# Altium PCB PCB.PcbDoc (part 2 of 3) (continued)
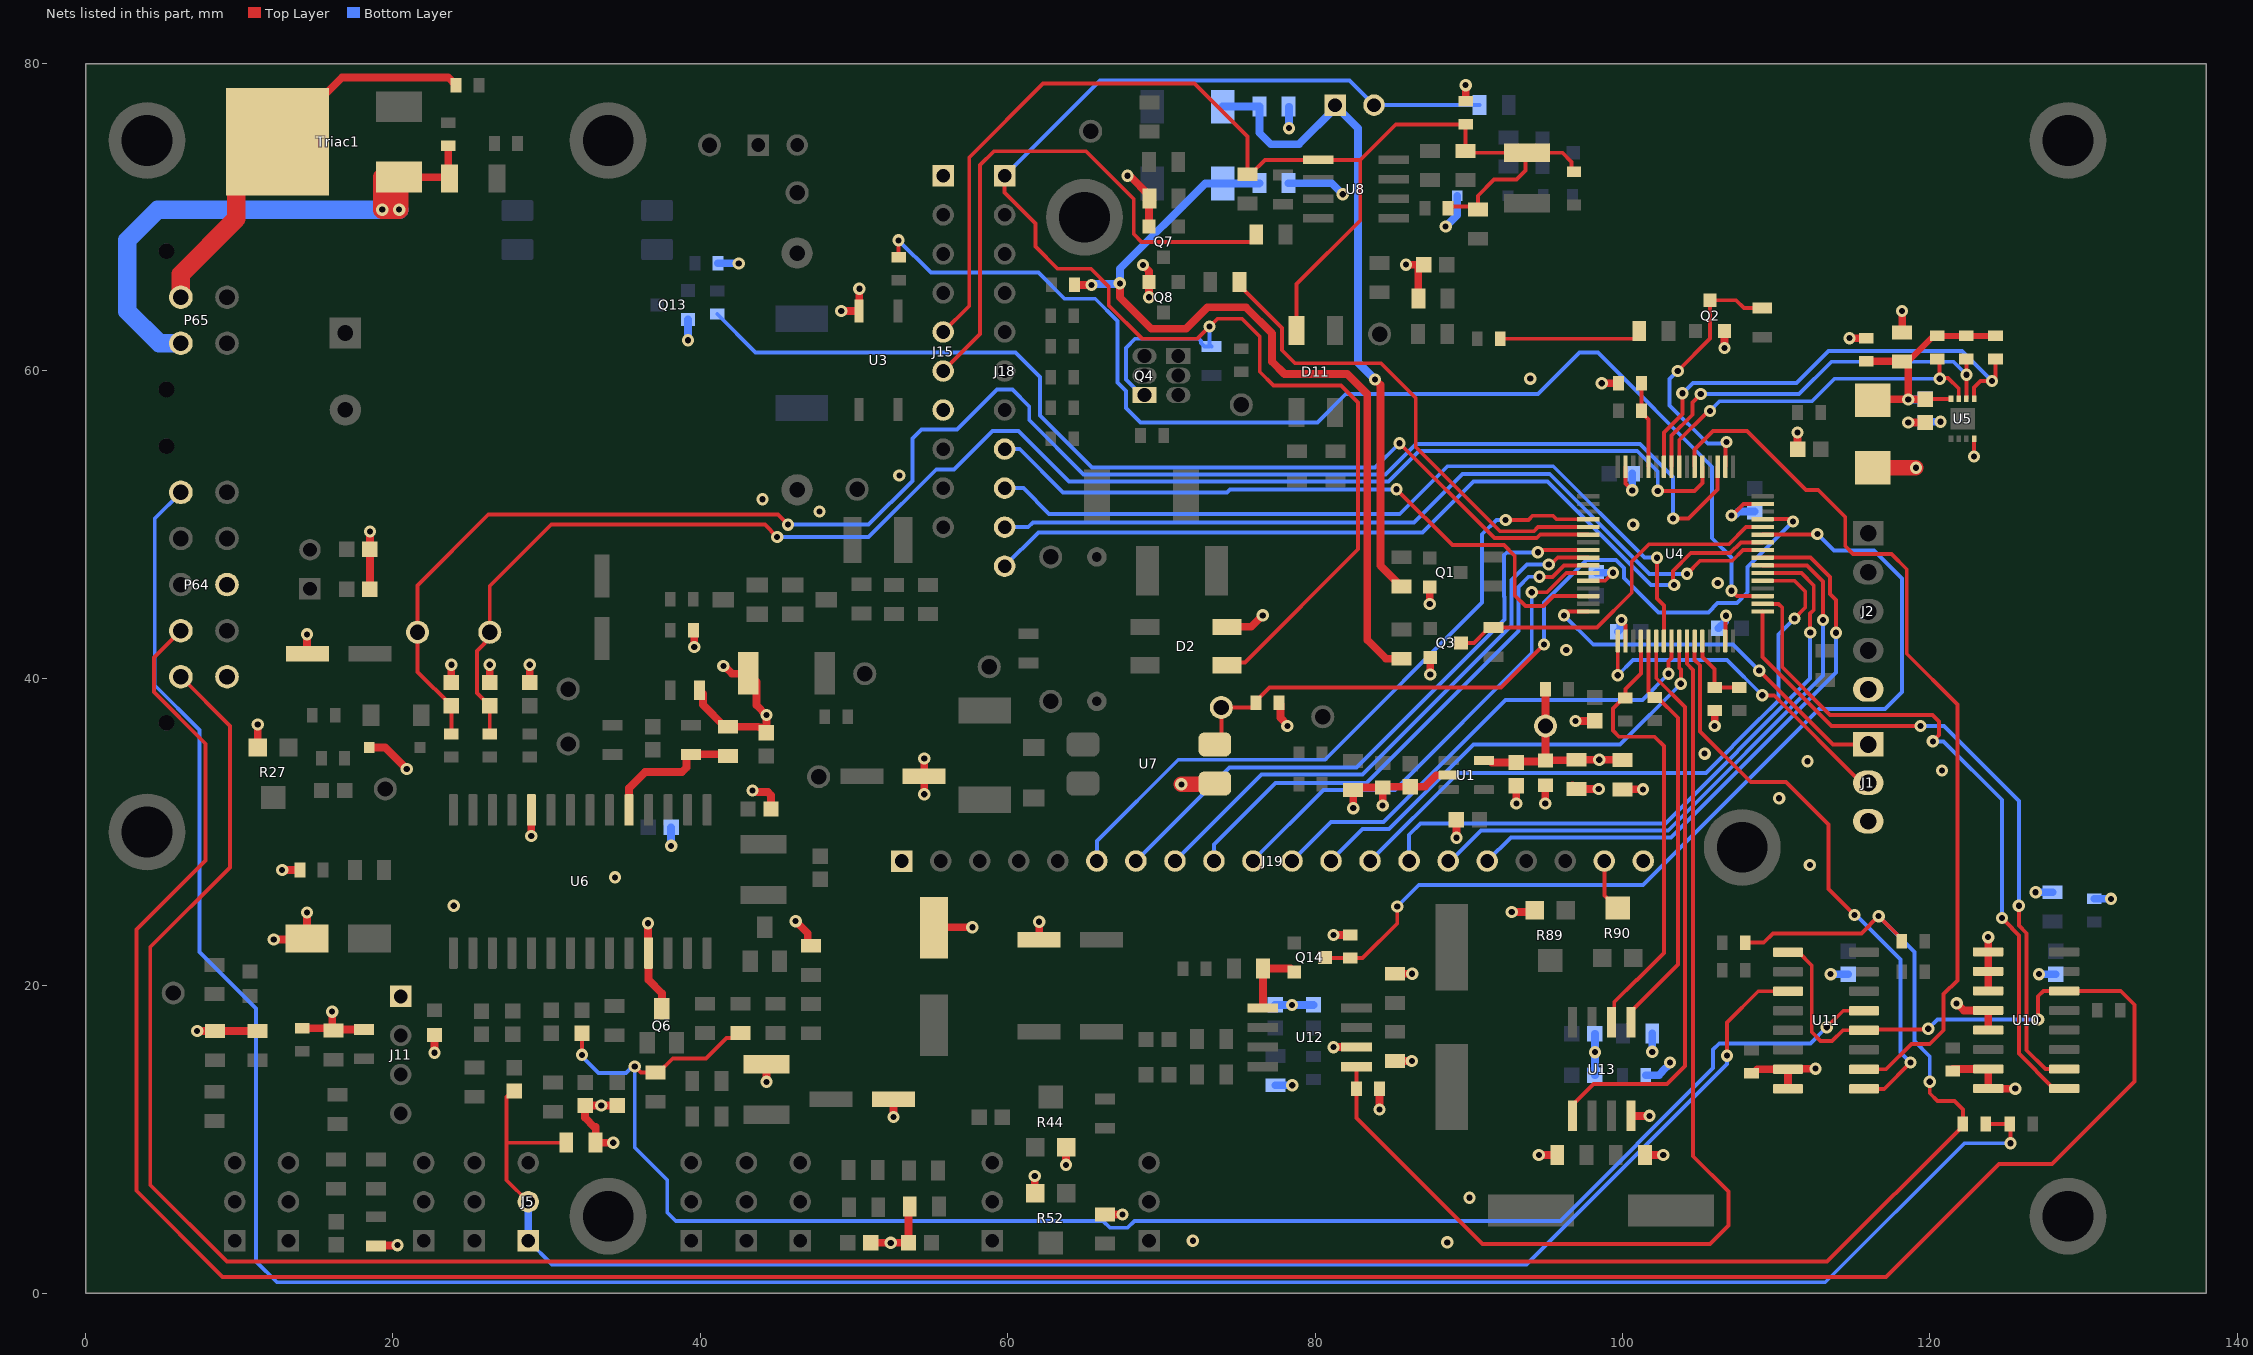
[diagram p4: the nets of this part, all layers, seen from the top]
## Part data (continued)
R36: "Res Thick Film 0805 300 Ohm 1% 1/8W ±100ppm/°C Molded SMD SMD Paper Tape on Plastic Reel", Case Code (Metric)=2012, Case/Package=0805, Manufacturer=Bourns, Manufacturer Part Number=CR0805-FX-3000ELF, Max Operating Temperature=155°C, Max Power Dissipation=125mW, Min Operating Temperature=-55°C, Package Quantity=1, Temperature Coefficient=100ppm/°C, Tolerance=1%, Voltage Rating=150V, Category="Chip SMD Resistors", Component Type=Standard, ComponentLink1Description=https://datasheet.ciiva.com/18608/chpreztr-18608507.pdf?src-supplier=Digi-Key, ComponentLink1URL=https://datasheet.ciiva.com/18608/chpreztr-18608507.pdf?src-supplier=Digi-Key, ComponentLink2Description=https://datasheet.ciiva.com/18608/chpreztr-18608508.pdf?src-supplier=Digi-Key, ComponentLink2URL=https://datasheet.ciiva.com/18608/chpreztr-18608508.pdf?src-supplier=Digi-Key, ComponentLink3Description=https://datasheet.ciiva.com/18608/chpreztr-18608509.pdf?src-supplier=Digi-Key, ComponentLink3URL=https://datasheet.ciiva.com/18608/chpreztr-18608509.pdf?src-supplier=Digi-Key, Contact Plating=Tin, Design Item ID=CR0805-FX-3000ELF, Features="Moisture Resistant", Height=0.024inch, Length=0.079inch, Mount="Surface Mount", Number of Terminations=2, Packaging="Tape and Reel", Pin Count=2, Power Rating=125mW, Pricing 1="1=0.1, 10=0.034, 50=0.034, 100=0.014, 1000=0.007, 10000=0.003 (USD)", Radiation Hardening=No, RoHS=Yes, RoHS Compliant=Yes, Series=CR0805, Source=V4-TEL.SCHLIB, Stock 1=32741, Termination=SMD/SMT, Thickness=508um, Width=1.25mm
R38: "Res Thick Film 0805 8.2K Ohm 5% 1/8W ±200ppm/°C Molded SMD SMD Paper T/R", Case Code (Metric)=2012, Case/Package=0805, Manufacturer="Vishay Dale", Manufacturer Part Number=CRCW08058K20JNEA, Max Operating Temperature=155°C, Max Power Dissipation=125mW, Min Operating Temperature=-55°C, Package Quantity=1, Resistance Tolerance=5%, Resistor Type="Thick Film", Temperature Coefficient=200ppm/°C, Voltage Rating=150V, Category="Chip SMD Resistors", Component Type=Standard, ComponentLink1Description=https://datasheet.ciiva.com/2464/dcrcwe3-2464855.pdf?src-supplier=Digi-Key, ComponentLink1URL=https://datasheet.ciiva.com/2464/dcrcwe3-2464855.pdf?src-supplier=Digi-Key, ComponentLink2Description=https://datasheet.ciiva.com/2464/dcrcwe3-2464856.pdf?src-supplier=Digi-Key, ComponentLink2URL=https://datasheet.ciiva.com/2464/dcrcwe3-2464856.pdf?src-supplier=Digi-Key, ComponentLink3Description=https://datasheet.ciiva.com/2464/dcrcwe3-2464857.pdf?src-supplier=Digi-Key, ComponentLink3URL=https://datasheet.ciiva.com/2464/dcrcwe3-2464857.pdf?src-supplier=Digi-Key, ComponentLink4Description=https://datasheet.ciiva.com/16397/dcrcwe3-16397273.pdf?src-supplier=Future+Electronics, ComponentLink4URL=https://datasheet.ciiva.com/16397/dcrcwe3-16397273.pdf?src-supplier=Future+Electronics, ComponentLink5Description=https://datasheet.ciiva.com/5550/dcrcwe3-109170-5550397.pdf?src-supplier=Mouser, ComponentLink5URL=https://datasheet.ciiva.com/5550/dcrcwe3-109170-5550397.pdf?src-supplier=Mouser, ComponentLink6Description=https://datasheet.ciiva.com/9056/dcrcwe3-9056269.pdf?src-supplier=Avnet, ComponentLink6URL=https://datasheet.ciiva.com/9056/dcrcwe3-9056269.pdf?src-supplier=Avnet, ComponentLink7Description=https://datasheet.ciiva.com/16773/70201119-16773566.pdf?src-supplier=Allied+Electronics, ComponentLink7URL=https://datasheet.ciiva.com/16773/70201119-16773566.pdf?src-supplier=Allied+Electronics, ComponentLink8Description=https://datasheet.ciiva.com/9056/dcrcwe3-9056271.pdf?src-supplier=Avnet, ComponentLink8URL=https://datasheet.ciiva.com/9056/dcrcwe3-9056271.pdf?src-supplier=Avnet, Contact Plating=Tin, Depth=1.25mm, Design Item ID=CRCW08058K20JNEA, Features="Automotive AEC-Q200", Height=0.45mm, Lead Free="Lead Free", Length=2mm, Number of Terminations=2, Packaging="Tape and Reel", Pin Count=2, Power Rating=125mW, Pricing 1="1=0.1, 10=0.05, 50=0.05, 100=0.021, 1000=0.01, 10000=0.006 (USD)", Radiation Hardening=No, Reach SVHC Compliant=Unknown, RoHS=Yes, RoHS Compliant=Yes, Series=CRCW, Size Code=0805, Source=V4-TEL.SCHLIB, Stock 1=5125, Technology="THICK FILM", Termination=SMD/SMT, Tolerance=5%, Voltage Rating (DC)=150V, Weight=0.000194oz, Width=0.049inch
R40: "Res Thick Film 0805 2.7K Ohm 1% 1/8W ±100ppm/°C Molded SMD SMD Paper Tape on Plastic Reel", Case Code (Metric)=2012, Case/Package=0805, Manufacturer=Bourns, Manufacturer Part Number=CR0805-FX-2701ELF, Max Operating Temperature=155°C, Max Power Dissipation=125mW, Min Operating Temperature=-55°C, Package Quantity=5000, Temperature Coefficient=100ppm/°C, Tolerance=1%, Voltage Rating=150V, Category="Chip SMD Resistors", Component Type=Standard, ComponentLink1Description=https://datasheet.ciiva.com/9123/chpreztr-9123127.pdf?src-supplier=Avnet, ComponentLink1URL=https://datasheet.ciiva.com/9123/chpreztr-9123127.pdf?src-supplier=Avnet, ComponentLink2Description=https://datasheet.ciiva.com/18608/chpreztr-18608504.pdf?src-supplier=Digi-Key, ComponentLink2URL=https://datasheet.ciiva.com/18608/chpreztr-18608504.pdf?src-supplier=Digi-Key, ComponentLink3Description=https://datasheet.ciiva.com/18608/chpreztr-18608505.pdf?src-supplier=Digi-Key, ComponentLink3URL=https://datasheet.ciiva.com/18608/chpreztr-18608505.pdf?src-supplier=Digi-Key, ComponentLink4Description=https://datasheet.ciiva.com/18608/chpreztr-18608506.pdf?src-supplier=Digi-Key, ComponentLink4URL=https://datasheet.ciiva.com/18608/chpreztr-18608506.pdf?src-supplier=Digi-Key, Contact Plating=Tin, Design Item ID=CR0805-FX-2701ELF, Features="Moisture Resistant", Height=0.024inch, Length=0.079inch, Mount="Surface Mount", Number of Terminations=2, Packaging="Tape and Reel", Pin Count=2, Power Rating=125mW, Pricing 1="1=0.1, 10=0.029, 50=0.029, 100=0.012, 1000=0.006, 10000=0.003 (USD)", Radiation Hardening=No, RoHS=Yes, RoHS Compliant=Yes, Series=CR0805, Source=V4-TEL.SCHLIB, Stock 1=44241, Termination=SMD/SMT, Thickness=508um, Width=1.25mm
R41: "Surface Mount Chip Resistor, Thick Film, Aec-Q200 Wcr Series, 470 Kohm, 125 Mw, 1%, 150 V Rohs Compliant: Yes", Case Code (Metric)=2012, Case/Package=0805, Insulation Resistance=1GR, Manufacturer="TT Welwyn", Manufacturer Part Number=WCR0805-470KFI, Max Operating Temperature=155°C, Min Operating Temperature=-55°C, Power Rating=125mW, Resistance Tolerance=1%, Resistor Type="Thick Film", Temperature Coefficient=100ppm/°C, Voltage Rating=150V, Category="Chip SMD Resistors", Component Type=Standard, ComponentLink1Description=https://datasheet.ciiva.com/7867/1851687-7867286.pdf?src-supplier=Element14, ComponentLink1URL=https://datasheet.ciiva.com/7867/1851687-7867286.pdf?src-supplier=Element14, ComponentLink2Description=https://datasheet.ciiva.com/7867/1851687-7867287.pdf?src-supplier=Element14, ComponentLink2URL=https://datasheet.ciiva.com/7867/1851687-7867287.pdf?src-supplier=Element14, Design Item ID=WCR0805-470KFI, Packaging="Cut Tape", Pin Count=2, Pins=2, Pricing 1="1=0.1, 10=0.084, 50=0.084, 100=0.033, 1000=0.015, 10000=0.01 (USD)", Reach SVHC Compliant=No, RoHS=Yes, RoHS Compliant=Yes, Series=WCR, Source=V4-TEL.SCHLIB, Stock 1=11638, Voltage Rating (DC)=150V, Width=1.25mm
R42 R46: "Res Thick Film 0805 82K Ohm 1% 1/8W ±100ppm/°C Molded SMD Paper T/R", Case Code (Metric)=2012, Case/Package=0805, Manufacturer=Yageo, Manufacturer Part Number=RC0805FR-0782KL, Max Operating Temperature=155°C, Max Power Dissipation=125mW, Min Operating Temperature=-55°C, Package Quantity=1, Resistance Tolerance=1%, Resistor Type="Thick Film", Temperature Coefficient=100ppm/°C, Voltage Rating=150V, Category="Chip SMD Resistors", Component Type=Standard, ComponentLink1Description=https://datasheet.ciiva.com/2457/pyu-r-int-thick-7-2457144.pdf?src-supplier=Digi-Key, ComponentLink1URL=https://datasheet.ciiva.com/2457/pyu-r-int-thick-7-2457144.pdf?src-supplier=Digi-Key, ComponentLink2Description=https://datasheet.ciiva.com/2457/pyu-r-int-thick-7-2457145.pdf?src-supplier=Digi-Key, ComponentLink2URL=https://datasheet.ciiva.com/2457/pyu-r-int-thick-7-2457145.pdf?src-supplier=Digi-Key, ComponentLink3Description=https://datasheet.ciiva.com/2457/pyu-r-int-thick-7-2457143.pdf?src-supplier=Digi-Key, ComponentLink3URL=https://datasheet.ciiva.com/2457/pyu-r-int-thick-7-2457143.pdf?src-supplier=Digi-Key, ComponentLink4Description=https://datasheet.ciiva.com/12577/rc0805-12577609.pdf?src-supplier=Mouser, ComponentLink4URL=https://datasheet.ciiva.com/12577/rc0805-12577609.pdf?src-supplier=Mouser, ComponentLink5Description=https://datasheet.ciiva.com/16747/rc0805-16747260.pdf?src-supplier=Future+Electronics, ComponentLink5URL=https://datasheet.ciiva.com/16747/rc0805-16747260.pdf?src-supplier=Future+Electronics, Construction=Rectangular, Contact Plating=Tin,Matte, Depth=1.25mm, Design Item ID=RC0805FR-0782KL, Features="Moisture Resistant", Height=0.5mm, Lead Free="Lead Free", Length=2mm, Military Standard=Not, Number of Terminations=2, Packaging="Tape and Reel", Pin Count=2, Power Rating=125mW, Pricing 1="1=0.1, 10=0.029, 50=0.029, 100=0.012, 1000=0.006, 10000=0.003 (USD)", Reach SVHC Compliant=Unknown, RoHS=Yes, RoHS Compliant=Yes, Series=RC, Size Code=0805, Source=V4-TEL.SCHLIB, Stock 1=15360, Technology="THICK FILM", Termination=SMD/SMT, Tolerance=1%, Weight=0.000194oz, Width=0.049inch
R48 R81 R84: "Res Thick Film 0805 12K Ohm 1% 0.125W(1/8W) ±100ppm/C Pad SMD T/R", Case Code (Metric)=2012, Case/Package=0805, Manufacturer=Yageo, Manufacturer Part Number=RC0805FR-0712KL, Max Operating Temperature=155°C, Max Power Dissipation=125mW, Min Operating Temperature=-55°C, Package Quantity=1, Resistance Tolerance=1%, Resistor Type="Thick Film", Temperature Coefficient=100ppm/°C, Voltage Rating=150V, Category="Chip SMD Resistors", Component Type=Standard, ComponentLink1Description=https://datasheet.ciiva.com/2519/pyu-r-int-thick-7-2519832.pdf?src-supplier=Digi-Key, ComponentLink1URL=https://datasheet.ciiva.com/2519/pyu-r-int-thick-7-2519832.pdf?src-supplier=Digi-Key, ComponentLink2Description=https://datasheet.ciiva.com/2519/pyu-r-int-thick-7-2519833.pdf?src-supplier=Digi-Key, ComponentLink2URL=https://datasheet.ciiva.com/2519/pyu-r-int-thick-7-2519833.pdf?src-supplier=Digi-Key, ComponentLink3Description=https://datasheet.ciiva.com/2519/pyu-r-int-thick-7-2519831.pdf?src-supplier=Digi-Key, ComponentLink3URL=https://datasheet.ciiva.com/2519/pyu-r-int-thick-7-2519831.pdf?src-supplier=Digi-Key, ComponentLink4Description=https://datasheet.ciiva.com/12577/rc0805-12577253.pdf?src-supplier=Mouser, ComponentLink4URL=https://datasheet.ciiva.com/12577/rc0805-12577253.pdf?src-supplier=Mouser, ComponentLink5Description=https://datasheet.ciiva.com/7941/444164-7941693.pdf?src-supplier=Element14, ComponentLink5URL=https://datasheet.ciiva.com/7941/444164-7941693.pdf?src-supplier=Element14, ComponentLink6Description=https://datasheet.ciiva.com/7941/444164-7941694.pdf?src-supplier=Element14, ComponentLink6URL=https://datasheet.ciiva.com/7941/444164-7941694.pdf?src-supplier=Element14, ComponentLink7Description=https://datasheet.ciiva.com/17018/rc0805-17018634.pdf?src-supplier=Future+Electronics, ComponentLink7URL=https://datasheet.ciiva.com/17018/rc0805-17018634.pdf?src-supplier=Future+Electronics, Design Item ID=RC0805FR-0712KL, Features="Moisture Resistant", Height=0.024inch, Lead Free="Lead Free", Length=0.079inch, Number of Terminations=2, Packaging="Cut Tape", Pin Count=2, Power Rating=125mW, Pricing 1="1=0.1, 10=0.024, 50=0.024, 100=0.012, 1000=0.007, 10000=0.004 (USD)", Reach SVHC Compliant=Unknown, RoHS=Yes, RoHS Compliant=Yes, Series=RC, Size Code=0805, Source=V4-TEL.SCHLIB, Stock 1=240573, Termination=SMD/SMT, Tolerance=1%, Weight=0.000194oz, Width=0.049inch
R50 R51 R63: "Res Thick Film 0805 18K Ohm 1% 1/8W ±100ppm/°C Molded SMD SMD Paper T/R", Case/Package=0805, Manufacturer=Yageo, Manufacturer Part Number=RC0805FR-1018KL, Max Operating Temperature=155°C, Min Operating Temperature=-55°C, Power=125mW, Tolerance=1%, Contact Plating=Tin,Matte, Mounting Technology=SMT, Pins=2, RoHS Compliant=Yes
R55: library part CMP-009-00301-2, "CRCW Thick Film Commodity Chip Resistor 0805 Size 680 Ohm 5% 0.125 W 200 ppm/K 2-Pin SMD Paper T/R", Manufacturer=Vishay, Power=125mW, Tolerance=5%, Category="Chip SMD Resistors", Manufacturer Part Number=CRCW0805680RJNEBC, Mounting Technology=SMT, Pins=2, RoHS Compliant=No
R59 R60 R61: library part CMP-009-00237-1, "Res Thick Film 0603 10K Ohm 5% 1/10W 200ppm/C Molded SMD SMD Paper T/R", Case/Package=0603, Manufacturer="Vishay Dale", Manufacturer Part Number=CRCW060310K0JNEA, Max Operating Temperature=155°C, Max Power Dissipation=333mW, Min Operating Temperature=-55°C, Package Quantity=1, Power Rating=250mW, Resistance Tolerance=5%, Resistor Type="Thick Film", Temperature Coefficient=200ppm/°C, Tolerance=1%, Voltage Rating=75V, Category="Chip SMD Resistors", ComponentLink1Description=https://datasheet.ciiva.com/3256/dcrcwe3-3256943.pdf?src-supplier=Avnet, ComponentLink1URL=https://datasheet.ciiva.com/3256/dcrcwe3-3256943.pdf?src-supplier=Avnet, ComponentLink2Description=https://datasheet.ciiva.com/2461/dcrcwe3-2461971.pdf?src-supplier=Digi-Key, ComponentLink2URL=https://datasheet.ciiva.com/2461/dcrcwe3-2461971.pdf?src-supplier=Digi-Key, ComponentLink3Description=https://datasheet.ciiva.com/2461/dcrcwe3-2461972.pdf?src-supplier=Digi-Key, ComponentLink3URL=https://datasheet.ciiva.com/2461/dcrcwe3-2461972.pdf?src-supplier=Digi-Key, ComponentLink4Description=https://datasheet.ciiva.com/2461/dcrcwe3-2461973.pdf?src-supplier=Digi-Key, ComponentLink4URL=https://datasheet.ciiva.com/2461/dcrcwe3-2461973.pdf?src-supplier=Digi-Key, ComponentLink5Description=https://datasheet.ciiva.com/3256/dcrcwe3-3256942.pdf?src-supplier=Avnet, ComponentLink5URL=https://datasheet.ciiva.com/3256/dcrcwe3-3256942.pdf?src-supplier=Avnet, ComponentLink6Description=https://datasheet.ciiva.com/16343/dcrcwe3-16343525.pdf?src-supplier=Future+Electronics, ComponentLink6URL=https://datasheet.ciiva.com/16343/dcrcwe3-16343525.pdf?src-supplier=Future+Electronics, ComponentLink7Description=https://datasheet.ciiva.com/16755/70201119-16755717.pdf?src-supplier=Allied+Electronics, ComponentLink7URL=https://datasheet.ciiva.com/16755/70201119-16755717.pdf?src-supplier=Allied+Electronics, ComponentLink8Description=https://datasheet.ciiva.com/16515/dcrcwe3-16515020.pdf?src-supplier=Avnet+Asia, ComponentLink8URL=https://datasheet.ciiva.com/16515/dcrcwe3-16515020.pdf?src-supplier=Avnet+Asia, ComponentLink9Description=https://datasheet.ciiva.com/16771/70201119-16771051.pdf?src-supplier=Allied+Electronics, ComponentLink9URL=https://datasheet.ciiva.com/16771/70201119-16771051.pdf?src-supplier=Allied+Electronics, Construction=Rectangular, Contact Plating=Tin, Depth=0.85mm, Design Item ID=CRCW060310K0JNEA, Features="Automotive AEC-Q200", Height=0.02inch, Lead Free="Lead Free", Length=1.55mm, Military Standard=Not, Mount="Surface Mount", Number of Terminations=2, Packaging="Tape and Reel", Pins=2, Radiation Hardening=No, RoHS=Yes, RoHS Compliant=Yes, Series=CRCW, Size Code=0603, Stock 1=41, Termination=SMD/SMT, Voltage Rating (DC)=75V, Weight=7.1E-05oz, Width=0.033inch
R62: "Thick Film Resistors 1.5M 5%", Case Code (Metric)=2012, Case/Package=0805, Manufacturer=Bourns, Manufacturer Part Number=CR0805-JW-155ELF, Max Operating Temperature=155°C, Max Power Dissipation=125mW, Min Operating Temperature=-55°C, Package Quantity=5000, Temperature Coefficient=200ppm/°C, Tolerance=5%, Voltage Rating=150V, Category="Chip SMD Resistors", Component Type=Standard, ComponentLink1Description=https://datasheet.ciiva.com/5545/chpreztr-5545126.pdf?src-supplier=Mouser, ComponentLink1URL=https://datasheet.ciiva.com/5545/chpreztr-5545126.pdf?src-supplier=Mouser, ComponentLink2Description=https://datasheet.ciiva.com/18608/chpreztr-18608456.pdf?src-supplier=Digi-Key, ComponentLink2URL=https://datasheet.ciiva.com/18608/chpreztr-18608456.pdf?src-supplier=Digi-Key, ComponentLink3Description=https://datasheet.ciiva.com/18608/chpreztr-18608457.pdf?src-supplier=Digi-Key, ComponentLink3URL=https://datasheet.ciiva.com/18608/chpreztr-18608457.pdf?src-supplier=Digi-Key, ComponentLink4Description=https://datasheet.ciiva.com/18608/chpreztr-18608458.pdf?src-supplier=Digi-Key, ComponentLink4URL=https://datasheet.ciiva.com/18608/chpreztr-18608458.pdf?src-supplier=Digi-Key, ComponentLink5Description=https://datasheet.ciiva.com/9123/chpreztr-9123419.pdf?src-supplier=Avnet, ComponentLink5URL=https://datasheet.ciiva.com/9123/chpreztr-9123419.pdf?src-supplier=Avnet, Contact Plating=Tin, Design Item ID=CR0805-JW-155ELF, Features="Moisture Resistant", Height=0.024inch, Length=0.079inch, Mount="Surface Mount", Number of Terminations=2, Packaging="Tape and Reel", Pin Count=2, Power Rating=125mW, Pricing 1="1=0.1, 10=0.024, 50=0.024, 100=0.01, 1000=0.005, 10000=0.004 (USD)", Radiation Hardening=No, RoHS=Yes, RoHS Compliant=Yes, Series=CR0805, Source=V4-TEL.SCHLIB, Stock 1=77505, Termination=SMD/SMT, Thickness=508um, Width=1.25mm
R64 R109: "High Precision-High Stability Chip Resistor Thin Film 0805 47kOhm 1% Paper T/R", Case Code (Metric)=2012, Case/Package=0805, Manufacturer=Yageo, Manufacturer Part Number=RT0805FRE0747KL, Max Operating Temperature=125°C, Max Power Dissipation=125mW, Min Operating Temperature=-55°C, Resistance Tolerance=1%, Resistor Type="Thin Film", Temperature Coefficient=50ppm/°C, Voltage Rating=150V, Category="Chip SMD Resistors", Component Type=Standard, ComponentLink1Description=https://datasheet.ciiva.com/7942/1392914-7942152.pdf?src-supplier=Element14, ComponentLink1URL=https://datasheet.ciiva.com/7942/1392914-7942152.pdf?src-supplier=Element14, ComponentLink2Description=https://datasheet.ciiva.com/7942/1392914-7942153.pdf?src-supplier=Element14, ComponentLink2URL=https://datasheet.ciiva.com/7942/1392914-7942153.pdf?src-supplier=Element14, ComponentLink3Description=https://datasheet.ciiva.com/5990/1392914-5990606.pdf?src-supplier=Farnell, ComponentLink3URL=https://datasheet.ciiva.com/5990/1392914-5990606.pdf?src-supplier=Farnell, Design Item ID=RT0805FRE0747KL, Features="Moisture Resistant", Height=0.024inch, Lead Free="Lead Free", Length=0.079inch, Number of Terminations=2, Packaging="Tape and Reel", Pin Count=2, Pins=2, Power Rating=125mW, Pricing 1="1=0.1, 10=0.081, 50=0.081, 100=0.031, 1000=0.014, 10000=0.009 (USD)", Reach SVHC Compliant=No, RoHS=Yes, RoHS Compliant=Yes, Series=RT, Source=V4-TEL.SCHLIB, Stock 1=83330, Termination=SMD/SMT, Tolerance=1%, Voltage Rating (DC)=150V, Width=0.049inch
R69: "anti-surge endured pulse power thick film chip resistor, 0805, RoHS", Case Code (Metric)=2012, Case/Package=0805, Manufacturer="KOA Speer", Manufacturer Part Number=SG73P2ATTD222J, Max Operating Temperature=155°C, Max Power Dissipation=250mW, Min Operating Temperature=-55°C, Ratings=AEC-Q200, Temperature Coefficient=100ppm/°C, Tolerance=5%, Voltage Rating=150V, Category="Chip SMD Resistors", Component Type=Standard, ComponentLink1Description=https://datasheet.ciiva.com/5568/sg73-5568998.pdf?src-supplier=Mouser, ComponentLink1URL=https://datasheet.ciiva.com/5568/sg73-5568998.pdf?src-supplier=Mouser, Design Item ID=SG73P2ATTD222J, Features="Moisture Resistant,Automotive AEC-Q200", Height=0.5mm, Length=2mm, Number of Terminations=2, Packaging="Tape and Reel", Pin Count=2, Power Rating=250mW, Pricing 1="1=0.13, 10=0.113, 50=0.113, 100=0.043, 1000=0.018, 10000=0.013 (USD)", RoHS=Yes, RoHS Compliant=Yes, Series=SG73P, Source=V4-TEL.SCHLIB, Stock 1=15000, Termination=SMD/SMT, Voltage Rating (DC)=150V, Weight=0.000194oz, Width=1.25mm
R71 R82 R83 R85 R87: "Chip Resistor Precision Grade Thick Film 0805 390kOhm 1% Paper T/R", Case/Package=0805, Max Operating Temperature=155°C, Max Power Dissipation=125mW, Min Operating Temperature=-55°C, Temperature Coefficient=50ppm/°C, Tolerance=1%, Features="Moisture Resistant", Height=0.024inch, Lead Free="Lead Free", Length=0.079inch, Number of Terminations=2, Packaging="Tape and Reel", RoHS Compliant=Yes, Series=RE, Width=0.049inch
R74: "Res Thick Film 0805 510K Ohm 1% 1/8W +/-100ppm/ßC Molded SMD Paper T/R", Case Code (Metric)=2012, Case/Package=0805, Manufacturer=Yageo, Manufacturer Part Number=RC0805FR-07510KL, Max Operating Temperature=155°C, Max Power Dissipation=125mW, Min Operating Temperature=-55°C, Temperature Coefficient=100ppm/°C, Tolerance=1%, Voltage Rating=150V, Category="Chip SMD Resistors", Component Type=Standard, ComponentLink1Description=https://datasheet.ciiva.com/11808/0900766b8106beab-11808278.pdf?src-supplier=Rs, ComponentLink1URL=https://datasheet.ciiva.com/11808/0900766b8106beab-11808278.pdf?src-supplier=Rs, ComponentLink2Description=https://datasheet.ciiva.com/12667/rc0805-12667085.pdf?src-supplier=Mouser, ComponentLink2URL=https://datasheet.ciiva.com/12667/rc0805-12667085.pdf?src-supplier=Mouser, Construction=Rectangular, Depth=1.25mm, Design Item ID=RC0805FR-07510KL, Features="Moisture Resistant", Height=0.5mm, Lead Free="Lead Free", Length=2mm, Military Standard=Not, Mount="Surface Mount", Number of Terminations=2, Packaging="Tape and Reel", Pin Count=2, Power Rating=125mW, Pricing 1="1=0.1, 10=0.042, 50=0.042, 100=0.017, 1000=0.007, 10000=0.005 (USD)", RoHS=Yes, RoHS Compliant=Yes, Series=RC, Size Code=0805, Source=V4-TEL.SCHLIB, Stock 1=104255, Technology="THICK FILM", Termination=SMD/SMT, Voltage Rating (DC)=150V
R78: "Res Thick Film 0805 200 Ohm 1% 1/8W ±100ppm/°C Molded SMD SMD Paper Tape on Plastic Reel", Case Code (Metric)=2012, Case/Package=0805, Manufacturer=Bourns, Manufacturer Part Number=CR0805-FX-2000ELF, Max Operating Temperature=155°C, Max Power Dissipation=125mW, Min Operating Temperature=-55°C, Package Quantity=5000, Temperature Coefficient=100ppm/°C, Tolerance=1%, Voltage Rating=150V, Category="Chip SMD Resistors", Component Type=Standard, ComponentLink1Description=http://components.arrow.com/part/dataview/40998293S2126022N1506?src-supplier=Arrow+Electronics, ComponentLink1URL=http://components.arrow.com/part/dataview/40998293S2126022N1506?src-supplier=Arrow+Electronics, ComponentLink2Description=http://www.farnell.com/datasheets/2178762.pdf?src-supplier=Farnell, ComponentLink2URL=http://www.farnell.com/datasheets/2178762.pdf?src-supplier=Farnell, ComponentLink3Description=http://www.mouser.com/ds/2/54/chpreztr-977002.pdf?src-supplier=Mouser, ComponentLink3URL=http://www.mouser.com/ds/2/54/chpreztr-977002.pdf?src-supplier=Mouser, ComponentLink4Description=http://www.farnell.com/datasheets/2178762.pdf?src-supplier=Newark, ComponentLink4URL=http://www.farnell.com/datasheets/2178762.pdf?src-supplier=Newark, ComponentLink5Description=http://www.bourns.com/pdfs/chpreztr.pdf?src-supplier=Avnet, ComponentLink5URL=http://www.bourns.com/pdfs/chpreztr.pdf?src-supplier=Avnet, ComponentLink6Description=https://www.bourns.com/docs/Product-Datasheets/CHPREZTR.pdf?src-supplier=Digi-Key, ComponentLink6URL=https://www.bourns.com/docs/Product-Datasheets/CHPREZTR.pdf?src-supplier=Digi-Key, ComponentLink7Description=http://www.onlinecomponents.com/datasheet/cr0805-fx-2000elf.aspx?p=10745564&src-supplier=Onlinecomponents.com, ComponentLink7URL=http://www.onlinecomponents.com/datasheet/cr0805-fx-2000elf.aspx?p=10745564&src-supplier=Onlinecomponents.com, Contact Plating=Tin, Design Item ID=CR0805-FX-2000ELF, Features="Moisture Resistant", Height=0.5mm, Length=2mm, Mount="Surface Mount", Number of Terminations=2, Packaging="Tape and Reel", Pin Count=2, Power Rating=125mW, Pricing 1="1=0.1, 10=0.029, 50=0.029, 100=0.012, 1000=0.006, 10000=0.003 (USD)", Radiation Hardening=No, RoHS=Yes, RoHS Compliant=Yes, Series=CR0805, Source=V4-TEL.SCHLIB, Stock 1=115698, Termination=SMD/SMT, Thickness=508um, Width=1.25mm
R80: "Res Thick Film 0805 13 Ohm 1% 1/8W ±100ppm/°C Molded SMD SMD Paper Tape on Plastic Reel", Case Code (Metric)=2012, Case/Package=0805, Manufacturer=Bourns, Manufacturer Part Number=CR0805-FX-13R0ELF, Max Operating Temperature=155°C, Max Power Dissipation=125mW, Min Operating Temperature=-55°C, Package Quantity=5000, Temperature Coefficient=100ppm/°C, Tolerance=1%, Voltage Rating=150V, Category="Chip SMD Resistors", Component Type=Standard, ComponentLink1Description=https://datasheet.ciiva.com/5577/chpreztr-5577813.pdf?src-supplier=Mouser, ComponentLink1URL=https://datasheet.ciiva.com/5577/chpreztr-5577813.pdf?src-supplier=Mouser, ComponentLink2Description=https://datasheet.ciiva.com/9122/chpreztr-9122173.pdf?src-supplier=Avnet, ComponentLink2URL=https://datasheet.ciiva.com/9122/chpreztr-9122173.pdf?src-supplier=Avnet, Contact Plating=Tin, Design Item ID=CR0805-FX-13R0ELF, Features="Moisture Resistant", Height=0.024inch, Length=0.079inch, Mount="Surface Mount", Number of Terminations=2, Packaging="Tape and Reel", Pin Count=2, Power Rating=125mW, Pricing 1="1=0.1, 10=0.029, 50=0.029, 100=0.012, 1000=0.006, 10000=0.003 (USD)", Radiation Hardening=No, RoHS=Yes, RoHS Compliant=Yes, Series=CR0805, Source=V4-TEL.SCHLIB, Stock 1=53715, Termination=SMD/SMT, Thickness=508um, Width=1.25mm
R89: library part CMP-009-00317-1, "Res Trimmer 10K Ohm 25% 1/10W 1(Elec)/1(Mech)Turn (3 X 3.8mm) Foot Print SMD Embossed T/R", Max Operating Temperature=100°C, Max Power Dissipation=100mW, Min Operating Temperature=-40°C, Package Quantity=9000, Resistor Type=Cermet, Temperature Coefficient=250ppm/°C, Tolerance=25%, Depth=3.8mm, Height=0.047inch, Length=0.15inch, Military Standard=Not, Mounting Technology="Surface Mount", Packaging="Tape and Reel", Power Rating=100mW, Radiation Hardening=No, RoHS Compliant=Yes, Series="Trimpot® TC33 - Open Frame", Termination=SMD/SMT, Width=0.118inch
R90: library part CMP-009-00318-1, "Res Trimmer 500 Ohm 25% 1/10W 1(Elec)/1(Mech)Turn (3 X 3.8mm) Foot Print SMD Embossed T/R", Case/Package=TC33X-2, Max Operating Temperature=100°C, Max Power Dissipation=100mW, Min Operating Temperature=-40°C, Package Quantity=1, Resistance Tolerance=25%, Resistor Type=Cermet, Temperature Coefficient=250ppm/°C, Height=0.047inch, Length=0.15inch, Mounting Technology="Surface Mount", Number of Turns=1, Packaging="Tape and Reel", Power=100mW, Power Rating=100mW, Radiation Hardening=No, Reach SVHC Compliant=No, RoHS Compliant=Yes, Series="Trimpot® TC33 - Open Frame", Termination=SMD/SMT, Tolerance=25%, Width=0.118inch
R91: "Thick Film Resistors - SMD 0.2W 51ohm 1% 100ppm", Case Code (Metric)=1608, Case/Package=0603, Manufacturer 1="KOA Speer", Manufacturer Part Number 1=SG73S1JTTD51R0F, Max Operating Temperature=155°C, Min Operating Temperature=-55°C, Package Quantity=5000, Power Rating=200mW, Resistor Type="Thick Film", Temperature Coefficient=100ppm/°C, Tolerance=1%, Voltage Rating=50V, Category="Chip SMD Resistors", ComponentLink1Description=http://www.koaspeer.com/catimages/Products/SG73/SG73.pdf?src-supplier=Mouser, ComponentLink1URL=http://www.koaspeer.com/catimages/Products/SG73/SG73.pdf?src-supplier=Mouser, Design Item ID=SG73S1JTTD51R0F, Height=0.45mm, Length=1.6mm, Packaging="Tape and Reel", Pins=2, Pricing 1="1=0.20000, 10=0.13500, 50=0.13500, 100=0.05100, 1000=0.02400, 10000=0.01500 (USD)", RoHS=Yes, RoHS Compliant=Yes, Series=SG73, Source=PTZLib.SchLib, Stock 1=9823, Termination=SMD/SMT, Voltage Rating (DC)=50V, Width=0.8mm
R92: "TE CONNECTIVITY - CRGP0603F150R - Chipwiderstand, Oberflächenmontage, 0603 [Metrisch 1608], 150 ohm, CRGP Series, 50 V, Dickschicht", Manufacturer 1="TE Connectivity", Manufacturer Part Number 1=CRGP0603F150R, Category="Chip SMD Resistors", ComponentLink1Description=https://4donline.ihs.com/images/VipMasterIC/IC/TYEL/TYEL-S-A0005460475/TYEL-S-A0005460475-1.pdf?hkey=52A5661711E402568146F3353EA87419&src-supplier=Farnell, ComponentLink1URL=https://4donline.ihs.com/images/VipMasterIC/IC/TYEL/TYEL-S-A0005460475/TYEL-S-A0005460475-1.pdf?hkey=52A5661711E402568146F3353EA87419&src-supplier=Farnell, ComponentLink2Description=https://4donline.ihs.com/images/VipMasterIC/IC/TYEL/TYEL-S-A0005460475/TYEL-S-A0005460475-1.pdf?hkey=52A5661711E402568146F3353EA87419&src-supplier=Newark, ComponentLink2URL=https://4donline.ihs.com/images/VipMasterIC/IC/TYEL/TYEL-S-A0005460475/TYEL-S-A0005460475-1.pdf?hkey=52A5661711E402568146F3353EA87419&src-supplier=Newark, Design Item ID=CRGP0603F150R, Pricing 1="1=0.17000, 10=0.14800, 100=0.05780, 1000=0.02420, 2500=0.02218 (USD)", RoHS=Yes, RoHS Compliant=Yes, Source=PTZLib.SchLib, Stock 1=18693
R94: "Res Thick Film 0603 1K Ohm 1% 1/10W ±100ppm/°C Molded SMD Paper T/R", Case Code (Metric)=1608, Case/Package=0603, Manufacturer=Yageo, Manufacturer Part Number=AC0603FR-071KL, Max Operating Temperature=155°C, Max Power Dissipation=100mW, Min Operating Temperature=-55°C, Package Quantity=1, Resistor Type="Thick Film", Temperature Coefficient=100ppm/°C, Tolerance=1%, Voltage Rating=50V, Category="Chip SMD Resistors", ComponentLink1Description=https://datasheet.ciiva.com/5558/pyu-ac-51-rohs-l-2-5558269.pdf?src-supplier=Mouser, ComponentLink1URL=https://datasheet.ciiva.com/5558/pyu-ac-51-rohs-l-2-5558269.pdf?src-supplier=Mouser, Construction=Rectangular, Depth=0.8mm, Design Item ID=AC0603FR-071KL, Features="Moisture Resistant,Automotive AEC-Q200,Anti-Sulfur", Height=0.022inch, Lead Free="Lead Free", Length=0.063inch, Military Standard=Not, Number of Terminations=2, Packaging="Tape and Reel", Power Rating=100mW, Pricing 1="1=0.10000, 10=0.02900, 50=0.02900, 100=0.01200, 1000=0.00500, 10000=0.00300 (USD)", RoHS=Yes, RoHS Compliant=Yes, Series=AC, Size Code=0603, Source=PTZLib.SchLib, Stock 1=617396, Termination=SMD/SMT, Width=0.031inch
R95: "Res Thick Film 0603 390 Ohm 1% 1/10W 100ppm/C Molded SMD Paper T/R", Case Code (Metric)=1608, Case/Package=0603, Manufacturer 1=Yageo, Manufacturer Part Number 1=RC0603FR-13390RL, Max Operating Temperature=155°C, Min Operating Temperature=-55°C, Power Rating=100mW, Resistor Type="Thick Film", Temperature Coefficient=100ppm/°C, Tolerance=1%, Voltage Rating=50V, Category="Chip SMD Resistors", ComponentLink1Description=https://datasheet.ciiva.com/8885/pyu-rc0603-51-rohs-l-4-8885886.pdf?src-supplier=Avnet, ComponentLink1URL=https://datasheet.ciiva.com/8885/pyu-rc0603-51-rohs-l-4-8885886.pdf?src-supplier=Avnet, Construction=Rectangular, Contact Plating=Tin,Matte, Depth=0.8mm, Design Item ID=RC0603FR-13390RL, Height=0.45mm, Length=1.6mm, Military Standard=Not, Packaging="Tape and Reel", Pricing 1="1=0.10000, 10=0.02500, 50=0.02500, 100=0.01100, 1000=0.00500, 10000=0.00400 (USD)", RoHS=Yes, RoHS Compliant=Yes, Series=RC, Source=PTZLib.SchLib, Stock 1=12402, Termination=SMD/SMT, Width=0.8mm
R104 R105: "Res Thick Film 0805 200K Ohm 1% 1/8W ±100ppm/°C Molded SMD Paper T/R", Case Code (Metric)=2012, Case/Package=0805, Manufacturer=Yageo, Manufacturer Part Number=RC0805FR-07200KL, Max Operating Temperature=155°C, Max Power Dissipation=125mW, Min Operating Temperature=-55°C, Resistance Tolerance=1%, Resistor Type="Thick Film", Temperature Coefficient=100ppm/°C, Voltage Rating=150V, Category="Chip SMD Resistors", Component Type=Standard, ComponentLink1Description=https://datasheet.ciiva.com/46395/444164-46395126.pdf?src-supplier=Element14, ComponentLink1URL=https://datasheet.ciiva.com/46395/444164-46395126.pdf?src-supplier=Element14, ComponentLink2Description=https://datasheet.ciiva.com/12668/rc0805-12668200.pdf?src-supplier=Mouser, ComponentLink2URL=https://datasheet.ciiva.com/12668/rc0805-12668200.pdf?src-supplier=Mouser, ComponentLink3Description=https://datasheet.ciiva.com/15189/getdatasheetpartid-71710-15189925.pdf?src-supplier=Verical, ComponentLink3URL=https://datasheet.ciiva.com/15189/getdatasheetpartid-71710-15189925.pdf?src-supplier=Verical, Construction=Rectangular, Contact Plating=Tin,Matte, Depth=1.25mm, Design Item ID=RC0805FR-07200KL, Features="Moisture Resistant", Height=0.5mm, Lead Free="Lead Free", Length=2mm, Military Standard=Not, Number of Terminations=2, Packaging="Tape and Reel", Pin Count=2, Pins=2, Power Rating=125mW, Pricing 1="1=0.1, 10=0.033, 50=0.033, 100=0.014, 1000=0.006, 10000=0.003 (USD)", Reach SVHC Compliant=No, RoHS=Yes, RoHS Compliant=Yes, Series=RC, Source=V4-TEL.SCHLIB, Stock 1=312674, Technology="THICK FILM", Termination=SMD/SMT, Tolerance=1%, Voltage Rating (DC)=150V, Working Voltage=150V
R106 R107 R108: library part CMP-009-00190-2, "RES SMD 4.7K OHM 5% 1/10W 0603", Case/Package=0603, Manufacturer 1=Rohm, Max Operating Temperature=155°C, Max Power Dissipation=100mW, Min Operating Temperature=-55°C, Package Quantity=5000, Resistor Type="Thick Film", Temperature Coefficient=200ppm/°C, Tolerance=5%, Category="Chip SMD Resistors", ComponentLink1Description=https://datasheet.ciiva.com/14984/ktr-14984741.pdf?src-supplier=Digi-Key, ComponentLink1URL=https://datasheet.ciiva.com/14984/ktr-14984741.pdf?src-supplier=Digi-Key, Design Item ID=KTR03EZPJ472, Height=0.022inch, Length=0.063inch, Manufacturer Part Number 1=KTR03EZPJ472, Number of Terminations=2, Packaging="Tape and Reel", Pricing 1="1=0.13000, 10=0.11500, 50=0.11500, 100=0.04400, 1000=0.02200, 10000=0.01400 (USD)", RoHS=Yes, RoHS Compliant=Yes, Series=KTR03, Source=PTZLib.SchLib, Stock 1=12843, Width=0.031inch
TP1 TP2 TP3 TP4 TP5 TP6 TP7 TP8 TP9 TP10 TP11 TP12 TP13 TP14 TP15 TP16 TP17 TP18 TP19 TP20: library part CMP-002-00037-1, "Test Point, Orange, Height 4.6 mm, Tail Length 3 mm, 1-Pin THD, RoHS", Colour=Orange, Manufacturer=Keystone, Package Description="1-Pin Through Hole Device, Dia 2.54 mm", Package Quantity=10, Case/Package=5003, Connector Type=TestPoint, Contact Material=Bronze, Contact Plating=Tin, Datasheet URL=http://keyelco.com/userAssets/file/M65p56.pdf, Datasheet Version=Jun-15, Diameter=2.54mm, Manufacturer URL=http://www.keyelco.com/, Mounting Technology=TH, Package Reference=5003, Packaging=Bulk, Pins=1, RoHS Compliant=True
Triac1: library part CMP-011-00014-1, "Triacs Triac Crowbar 10mA Switch 2A 800V", Case/Package=DPAK, Hold Current=10mA, Manufacturer 1=STMicroelectronics, Max Operating Temperature=125°C, Min Operating Temperature=-40°C, Package Quantity=2500, RMS Current (Irms)=2A, Voltage Rating=800V, Category=TRIACs, ComponentLink1Description=https://datasheet.ciiva.com/15140/getdatasheetpartid-256875-15140675.pdf?src-supplier=Verical, ComponentLink1URL=https://datasheet.ciiva.com/15140/getdatasheetpartid-256875-15140675.pdf?src-supplier=Verical, ComponentLink2Description=https://datasheet.ciiva.com/17423/cd00153575-17423141.pdf?src-supplier=Avnet+Europe, ComponentLink2URL=https://datasheet.ciiva.com/17423/cd00153575-17423141.pdf?src-supplier=Avnet+Europe, Contact Plating=Tin,Matte, Design Item ID=ACST210-8BTR, Element Configuration=Single, Lead Free="Lead Free", Manufacturer Part Number 1=ACST210-8BTR, Mount="Surface Mount", Packaging="Tape and Reel", Pins=3, Pricing 1="1=0.75000, 10=0.65700 (USD)", Radiation Hardening=No, RoHS=Yes, RoHS Compliant=Yes, Series=ACS™/A.S.D®, Source=PTZLib.SchLib, Stock 1=60, Weight=0.009185oz
U1: "Linear Voltage Regulator IC Positive Fixed 1 Output 3.3V 150mA SOT-23-5", Case/Package=SOT-23-5, Dropout Voltage=400uV, Input Bias Current=85uA, Manufacturer=STMicroelectronics, Manufacturer Part Number=LD3985M33R, Max Operating Temperature=125°C, Max Supply Current=250uA, Max Supply Voltage=6V, Min Operating Temperature=-40°C, Min Output Voltage=3.3V, Min Supply Voltage=2.5V, Output Current=150mA, Package Quantity=3000, Power Supply Rejection Ratio (PSRR)=50dB, Quiescent Current=150uA, Category="Voltage Regulators - Linear", Component Type=Standard, ComponentLink1Description=https://datasheet.ciiva.com/41440/001185181-da-01-en-ic-reg-ldo-3-3v-ld3985m33r-sot-23-5-stm-41440289.pdf?src-supplier=Conrad, ComponentLink1URL=https://datasheet.ciiva.com/41440/001185181-da-01-en-ic-reg-ldo-3-3v-ld3985m33r-sot-23-5-stm-41440289.pdf?src-supplier=Conrad, ComponentLink2Description=https://datasheet.ciiva.com/2042/cd00003395-2042199.pdf?src-supplier=Digi-Key, ComponentLink2URL=https://datasheet.ciiva.com/2042/cd00003395-2042199.pdf?src-supplier=Digi-Key, ComponentLink3Description=https://datasheet.ciiva.com/2042/cd00003395-2042198.pdf?src-supplier=Digi-Key, ComponentLink3URL=https://datasheet.ciiva.com/2042/cd00003395-2042198.pdf?src-supplier=Digi-Key, ComponentLink4Description=https://datasheet.ciiva.com/2042/cd00003395-2042200.pdf?src-supplier=Digi-Key, ComponentLink4URL=https://datasheet.ciiva.com/2042/cd00003395-2042200.pdf?src-supplier=Digi-Key, Design Item ID=LD3985M33R, Height=1.3mm, Lead Free="Lead Free", Length=3mm, Mounting Technology="Surface Mount", Number of Outputs=1, Number of Regulators=1, Output Configuration=Positive, Output Type=Fixed, Output Voltage=3.3V, Packaging="Cut Tape", Pin Count=5, Pins=5, Polarity=Positive, Pricing="1=0.93, 10=0.832, 50=0.79, 100=0.649, 1000=0.424, 10000=0.39 (USD)", RoHS=Yes, RoHS Compliant=Yes, Series=-, Source=V4-TEL.SCHLIB, Stock=76764, Weight=0.000222oz, Width=1.75mm